# KiCad board SmallDSPMicro.kicad_pcb (continued)
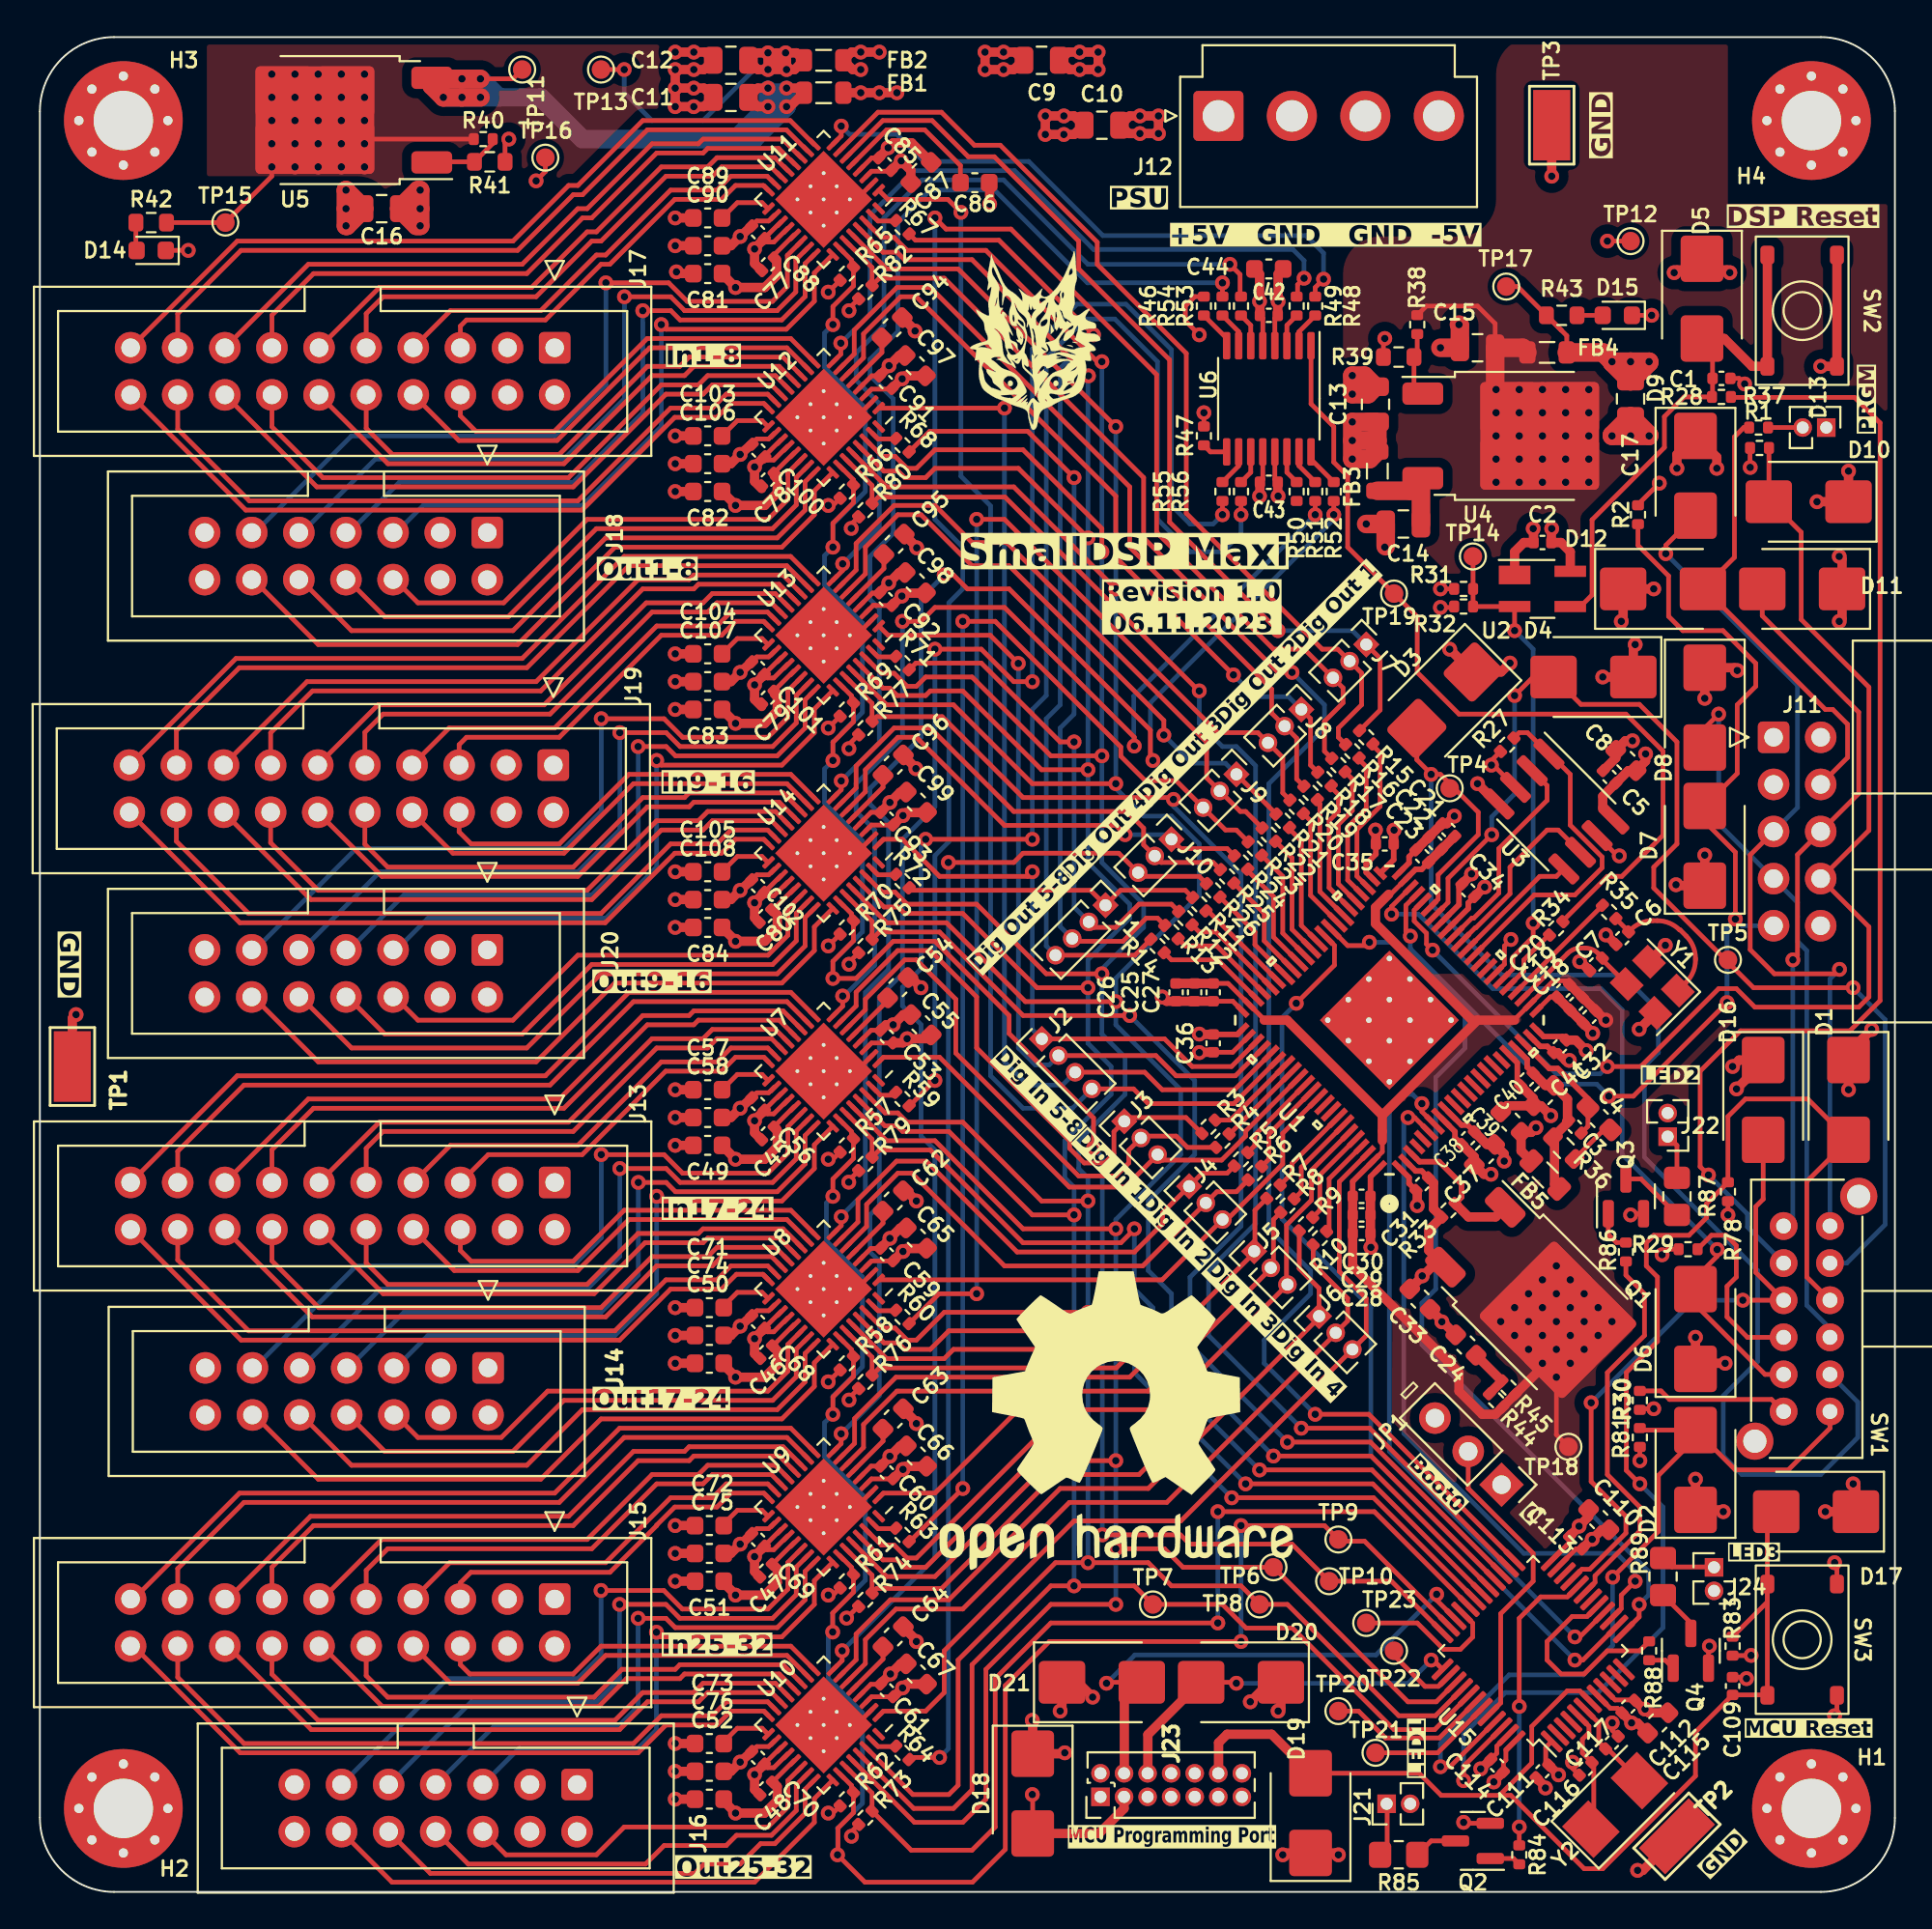
[diagram p0: board, top side]
## Nets
+1V2: C18.1 C19.1 C20.1 C21.1 C22.1 C23.1 C25.1 C26.1 C27.1 C28.1 C29.1 C30.1 Q1.2 R44.1 R45.1 TP18.1 U1.24 U1.43 U1.65 U1.87
+3.3VA: C16.1 C45.1 C46.1 C47.1 C48.1 C49.1 C50.1 C51.1 C52.1 C56.1 C58.1 C68.1 C69.1 C70.1 C74.1 C75.1 C76.1 C77.1 C78.1 C79.1 C80.1 C81.1 C82.1 C83.1 C84.1 C88.1 C90.1 C100.1 C101.1 C102.1 C106.1 C107.1 C108.1 R40.1 R42.1 TP15.1 U5.2 U7.18 U7.21 U8.18 U8.21 U9.18 U9.21 U10.18 U10.21 U11.18 U11.21 U12.18 U12.21 U13.18 U13.21 U14.18 U14.21
+3.3VP: C3.1 C40.1 C41.1 FB5.2 R36.2 U1.19
+3V3: C2.1 C5.1 C8.1 C17.1 C31.1 C32.1 C33.1 C34.1 C35.1 C36.1 C37.1 C38.1 C39.1 C42.1 C43.1 C44.1 C53.1 C55.1 C59.1 C60.1 C61.1 C65.1 C66.1 C67.1 C85.1 C87.1 C91.1 C92.1 C93.1 C97.1 C98.1 C99.1 C110.1 C111.2 C112.2 C113.2 C114.2 C115.1 D18.2 FB4.2 FB5.1 J21.2 J22.2 J23.3 J24.2 JP1.3 Q1.3 R2.1 R27.1 R30.1 R32.1 R33.1 R43.1 R46.1 R47.1 R73.1 R74.1 R75.1 R76.1 R77.1 R78.1 R79.1 R80.1 R81.1 R82.1 R83.1 TP17.1 U1.2 U1.9 U1.22 U1.37 U1.46 U1.68 U2.4 U3.3 U3.7 U3.8 U6.4 U6.13 U7.3 U8.3 U9.3 U10.3 U11.3 U12.3 U13.3 U14.3 U15.1 U15.9 U15.24 U15.48
+5V: C11.1 FB1.2 J13.2 J14.2 J15.2 J16.2 J17.2 J18.2 J19.2 J20.2 TP11.1 U5.3
-5V: C12.1 FB2.2 J13.1 J14.1 J15.1 J16.1 J17.1 J18.1 J19.1 J20.1 TP13.1
/5V PR: D12.2 J11.4 R37.1
GND: C1.2 C2.2 C5.2 C6.2 C7.2 C8.2 C9.2 C10.2 C11.2 C12.2 C13.2 C14.2 C15.2 C16.2 C17.2 C18.2 C19.2 C20.2 C21.2 C22.2 C23.2 C24.2 C25.2 C26.2 C27.2 C28.2 C29.2 C30.2 C31.2 C32.2 C33.2 C34.2 C35.2 C36.2 C37.2 C38.2 C39.2 C40.2 C41.2 C42.2 C43.2 C44.2 C45.2 C46.2 C47.2 C48.2 C49.2 C50.2 C51.2 C52.2 C53.2 C54.2 C55.2 C56.2 C57.2 C58.2 C59.2 C60.2 C61.2 C62.2 C63.2 C64.2 C65.2 C66.2 C67.2 C68.2 C69.2 C70.2 C71.2 C72.2 C73.2 C74.2 C75.2 C76.2 C77.2 C78.2 C79.2 C80.2 C81.2 C82.2 C83.2 C84.2 C85.2 C86.2 C87.2 C88.2 C89.2 C90.2 C91.2 C92.2 C93.2 C94.2 C95.2 C96.2 C97.2 C98.2 C99.2 C100.2 C101.2 C102.2 C103.2 C104.2 C105.2 C106.2 C107.2 C108.2 C109.1 C110.2 C111.1 C112.1 C113.1 C114.1 C115.2 C116.2 C117.2 D13.1 D14.1 D15.1 J11.10 J12.2 J12.3 J13.3 J13.4 J14.3 J14.4 J14.13 J14.14 J15.3 J15.4 J16.3 J16.4 J16.13 J16.14 J17.3 J17.4 J18.3 J18.4 J18.13 J18.14 J19.3 J19.4 J20.3 J20.4 J20.13 J20.14 J23.5 J23.7 JP1.1 Q2.2 Q3.2 Q4.2 R1.1 R29.1 R31.1 R39.2 R41.2 R57.2 R58.2 R61.2 R62.2 R65.2 R66.2 R69.2 R70.2 SW2.1 SW3.1 TP1.1 TP2.1 TP3.1 TP12.1 TP16.1 U1.1 U1.8 U1.18 U1.21 U1.23 U1.29 U1.36 U1.44 U1.45 U1.66 U1.67 U1.88 U1.EP U2.1 U3.4 U6.5 U6.12 U7.2 U7.4 U7.19 U7.20 U7.33 U8.2 U8.4 U8.19 U8.20 U8.33 U9.2 U9.4 U9.19 U9.20 U9.33 U10.2 U10.4 U10.19 U10.20 U10.33 U11.2 U11.4 U11.19 U11.20 U11.33 U12.2 U12.4 U12.19 U12.20 U12.33 U13.2 U13.4 U13.19 U13.20 U13.33 U14.2 U14.4 U14.19 U14.20 U14.33 U15.8 U15.23 U15.47 Y1.2 Y1.4
/BCLK In0: J3.1 R3.1 U7.7
/BCLK In1: J4.1 R5.1 U8.7
/BCLK In2: J5.1 R7.1 U9.7
/BCLK In3: J6.1 R9.1 U10.7
/BCLK Out0: J7.2 R16.2 U11.7
/BCLK Out1: J8.2 R19.2 U12.7
/BCLK Out2: J9.2 R22.2 U13.7
/BCLK Out3: J10.2 R25.2 U14.7
/Clock Distribution/MCLK Out 9: R50.2
/Codecs 1-4/In L1+: J13.5 U7.16
/Codecs 1-4/In L1-: J13.7 U7.15
/Codecs 1-4/In L2+: J13.13 U7.12
/Codecs 1-4/In L2-: J13.15 U7.11
/Codecs 1-4/In L3+: J13.20 U8.16
/Codecs 1-4/In L3-: J13.18 U8.15
/Codecs 1-4/In L4+: J13.12 U8.12
/Codecs 1-4/In L4-: J13.10 U8.11
/Codecs 1-4/In L5+: J15.5 U9.16
/Codecs 1-4/In L5-: J15.7 U9.15
/Codecs 1-4/In L6+: J15.13 U9.12
/Codecs 1-4/In L6-: J15.15 U9.11
/Codecs 1-4/In L7+: J15.20 U10.16
/Codecs 1-4/In L7-: J15.18 U10.15
/Codecs 1-4/In L8+: J15.12 U10.12
/Codecs 1-4/In L8-: J15.10 U10.11
/Codecs 1-4/In R1+: J13.9 U7.14
/Codecs 1-4/In R1-: J13.11 U7.13
/Codecs 1-4/In R2+: J13.17 U7.10
/Codecs 1-4/In R2-: J13.19 U7.9
/Codecs 1-4/In R3+: J13.16 U8.14
/Codecs 1-4/In R3-: J13.14 U8.13
/Codecs 1-4/In R4+: J13.8 U8.10
/Codecs 1-4/In R4-: J13.6 U8.9
/Codecs 1-4/In R5+: J15.9 U9.14
/Codecs 1-4/In R5-: J15.11 U9.13
/Codecs 1-4/In R6+: J15.17 U9.10
/Codecs 1-4/In R6-: J15.19 U9.9
/Codecs 1-4/In R7+: J15.16 U10.14
/Codecs 1-4/In R7-: J15.14 U10.13
/Codecs 1-4/In R8+: J15.8 U10.10
/Codecs 1-4/In R8-: J15.6 U10.9
/Codecs 1-4/Out L1: J14.11 U7.22
/Codecs 1-4/Out L2: J14.7 U7.24
/Codecs 1-4/Out L3: J14.6 U8.22
/Codecs 1-4/Out L4: J14.10 U8.24
/Codecs 1-4/Out L5: J16.11 U9.22
/Codecs 1-4/Out L6: J16.7 U9.24
/Codecs 1-4/Out L7: J16.6 U10.22
/Codecs 1-4/Out L8: J16.10 U10.24
/Codecs 1-4/Out R1: J14.9 U7.23
/Codecs 1-4/Out R2: J14.5 U7.25
/Codecs 1-4/Out R3: J14.8 U8.23
/Codecs 1-4/Out R4: J14.12 U8.25
/Codecs 1-4/Out R5: J16.9 U9.23
/Codecs 1-4/Out R6: J16.5 U9.25
/Codecs 1-4/Out R7: J16.8 U10.23
/Codecs 1-4/Out R8: J16.12 U10.25
/Codecs 5-8/In L1+: J17.5 U11.16
/Codecs 5-8/In L1-: J17.7 U11.15
/Codecs 5-8/In L2+: J17.13 U11.12
/Codecs 5-8/In L2-: J17.15 U11.11
/Codecs 5-8/In L3+: J17.20 U12.16
/Codecs 5-8/In L3-: J17.18 U12.15
/Codecs 5-8/In L4+: J17.12 U12.12
/Codecs 5-8/In L4-: J17.10 U12.11
/Codecs 5-8/In L5+: J19.5 U13.16
/Codecs 5-8/In L5-: J19.7 U13.15
/Codecs 5-8/In L6+: J19.13 U13.12
/Codecs 5-8/In L6-: J19.15 U13.11
/Codecs 5-8/In L7+: J19.20 U14.16
/Codecs 5-8/In L7-: J19.18 U14.15
/Codecs 5-8/In L8+: J19.12 U14.12
/Codecs 5-8/In L8-: J19.10 U14.11
/Codecs 5-8/In R1+: J17.9 U11.14
/Codecs 5-8/In R1-: J17.11 U11.13
/Codecs 5-8/In R2+: J17.17 U11.10
/Codecs 5-8/In R2-: J17.19 U11.9
/Codecs 5-8/In R3+: J17.16 U12.14
/Codecs 5-8/In R3-: J17.14 U12.13
/Codecs 5-8/In R4+: J17.8 U12.10
/Codecs 5-8/In R4-: J17.6 U12.9
/Codecs 5-8/In R5+: J19.9 U13.14
/Codecs 5-8/In R5-: J19.11 U13.13
/Codecs 5-8/In R6+: J19.17 U13.10
/Codecs 5-8/In R6-: J19.19 U13.9
/Codecs 5-8/In R7+: J19.16 U14.14
/Codecs 5-8/In R7-: J19.14 U14.13
/Codecs 5-8/In R8+: J19.8 U14.10
/Codecs 5-8/In R8-: J19.6 U14.9
/Codecs 5-8/Out L1: J18.11 U11.22
/Codecs 5-8/Out L2: J18.7 U11.24
/Codecs 5-8/Out L3: J18.6 U12.22
/Codecs 5-8/Out L4: J18.10 U12.24
/Codecs 5-8/Out L5: J20.11 U13.22
/Codecs 5-8/Out L6: J20.7 U13.24
/Codecs 5-8/Out L7: J20.6 U14.22
/Codecs 5-8/Out L8: J20.10 U14.24
/Codecs 5-8/Out R1: J18.9 U11.23
/Codecs 5-8/Out R2: J18.5 U11.25
/Codecs 5-8/Out R3: J18.8 U12.23
/Codecs 5-8/Out R4: J18.12 U12.25
/Codecs 5-8/Out R5: J20.9 U13.23
/Codecs 5-8/Out R6: J20.5 U13.25
/Codecs 5-8/Out R7: J20.8 U14.23
/Codecs 5-8/Out R8: J20.12 U14.25
/Enable Codec 1-4: R57.1 R58.1 R61.1 R62.1 TP9.1 U7.26 U8.26 U9.26 U10.26 U15.35
/Enable Codec 5-8: R65.1 R66.1 R69.1 R70.1 TP10.1 U11.26 U12.26 U13.26 U14.26 U15.36
/GPIO6: U1.53 U15.13
/GPIO7: U1.54 U15.14
/GPIO14: U1.6 U15.15
/GPIO15: U1.7 U15.16
/LRCK In0: J3.2 R4.1 U7.6
/LRCK In1: J4.2 R6.1 U8.6
/LRCK In2: J5.2 R8.1 U9.6
/LRCK In3: J6.2 R10.1 U10.6
/LRCK Out0: J7.1 R15.2 U11.6
/LRCK Out1: J8.1 R18.2 U12.6
/LRCK Out2: J9.1 R21.2 U13.6
/LRCK Out3: J10.1 R24.2 U14.6
/M DSP MISO: U1.35 U3.2
/M DSP MOSI: U1.33 U3.5
/M DSP SCLK: U1.34 U3.6
/MCLK: R34.2 TP19.1 U6.1
/MCLK 1: R51.2 U7.8
/MCLK 2: R52.2 U8.8
/MCLK 3: R55.2 U9.8
/MCLK 4: R56.2 U10.8
/MCLK 5: R48.2 U11.8
/MCLK 6: R49.2 U12.8
/MCLK 7: R53.2 U13.8
/MCLK 8: R54.2 U14.8
/MCU MISO: TP8.1 U7.30 U8.30 U9.30 U10.30 U11.30 U12.30 U13.30 U14.30 U15.40
/MCU MOSI: TP7.1 U7.29 U8.29 U9.29 U10.29 U11.29 U12.29 U13.29 U14.29 U15.41
/MCU SCL: D2.2 R81.2 SW1.6 U15.45
/MCU SCLK: TP6.1 U7.28 U8.28 U9.28 U10.28 U11.28 U12.28 U13.28 U14.28 U15.39
/MCU SDA: D1.2 R78.2 SW1.3 U15.46
/MCU/Boot0: JP1.2 U15.44
/MCU/LED1: R84.2 U15.20
/MCU/LED2: R86.2 U15.19
/MCU/LED3: R88.2 U15.17
/MCU/SWCLK: D20.2 J23.6 U15.37
/MCU/SWDIO: D21.2 J23.4 U15.34
/MCU/~{RST}: C109.2 D17.2 D19.2 J23.12 R83.2 SW3.2 U15.7
/PRGM MISO: D9.2 J11.5 SW1.1
/PRGM MOSI: D10.2 J11.8 R1.2 U1.40
/PRGM SCLK: D8.2 J11.7 SW1.4
/SDATA In0: J3.3 U1.75 U7.1
/SDATA In1: J4.3 U1.78 U8.1
/SDATA In2: J5.3 U1.83 U9.1
/SDATA In3: J6.3 U1.86 U10.1
/SDATA In4: J2.4 U1.72 U11.1
/SDATA In5: J2.3 U1.71 U12.1
/SDATA In6: J2.2 U1.70 U13.1
/SDATA In7: J2.1 U1.69 U14.1
/SDATA Out0: J7.3 R17.2 R59.2
/SDATA Out1: J8.3 R20.2 R60.2
/SDATA Out2: J9.3 R23.2 R63.2
/SDATA Out3: J10.3 R26.2 R64.2
/SDATA Out4: J1.4 R14.1 R67.2
/SDATA Out5: J1.3 R13.1 R68.2
/SDATA Out6: J1.2 R12.1 R71.2
/SDATA Out7: J1.1 R11.1 R72.2
/~{CS Codec 1}: R79.2 U7.27 U15.29
/~{CS Codec 2}: R76.2 U8.27 U15.30
/~{CS Codec 3}: R74.2 U9.27 U15.31
/~{CS Codec 4}: R73.2 U10.27 U15.32
/~{CS Codec 5}: R82.2 U11.27 U15.25
/~{CS Codec 6}: R80.2 U12.27 U15.26
/~{CS Codec 7}: R77.2 U13.27 U15.27
/~{CS Codec 8}: R75.2 U14.27 U15.28
/~{CS EEPROM}: R27.2 U1.32 U3.1
/~{DSP RST}: R31.2 R32.2 TP14.1 U1.28 U2.2
/~{PRGM CS}: D7.2 J11.9 R2.2 U1.41
/~{RST MCU}: D16.2 SW1.9 U15.21
/~{RST PGRM}: D11.2 J11.6 SW1.7
Earth_Protective: D1.1 D2.1 D3.1 D4.1 D5.1 D6.1 D7.1 D8.1 D9.1 D10.1 D11.1 D12.1 D16.1 D17.1 D18.1 D19.1 D20.1 D21.1 H1.1 H2.1 H3.1 H4.1 SW1.G
Net-(C4-Pad2): C4.2 R36.1
Net-(C6-Pad1): C6.1 R35.2 Y1.1
Net-(C24-Pad1): C24.1 R44.2 R45.2
Net-(D3-A2): D3.2 SW1.5 TP4.1 U1.39
Net-(D4-A2): D4.2 SW1.2 TP5.1 U1.38
Net-(D5-A2): C1.1 D5.2 R28.1 SW2.2 U2.3
Net-(D6-A2): D6.2 SW1.11 U1.42
Net-(D13-A): D13.2 R37.2
Net-(D14-A): D14.2 R42.2
Net-(D15-A): D15.2 R43.2
Net-(J12-Pin_1): C10.1 C13.1 FB1.1 FB3.1 J12.1
Net-(J12-Pin_4): C9.1 FB2.1 J12.4
Net-(J21-Pin_1): J21.1 R85.1
Net-(J22-Pin_1): J22.1 R87.1
Net-(J24-Pin_1): J24.1 R89.1
Net-(Q1-B): Q1.1 R33.2 U1.3
Net-(Q2-D): Q2.3 R85.2
Net-(Q2-G): Q2.1 R84.1
Net-(Q3-D): Q3.3 R87.2
Net-(Q3-G): Q3.1 R86.1
Net-(Q4-D): Q4.3 R89.2
Net-(Q4-G): Q4.1 R88.1
Net-(SW1C-B): R28.2 SW1.8
Net-(SW1D-A): R29.2 SW1.10
Net-(SW1D-C): R30.2 SW1.12
Net-(U1A-MCLK_Out): R34.1 U1.27
Net-(U1A-PLLFlt): C3.2 C4.1 U1.20
Net-(U1A-Xtal_In/MCLK_In): C7.1 U1.25 Y1.3
Net-(U1A-Xtal_Out): R35.1 U1.26
Net-(U1C-BCLK_In0): R3.2 U1.73
Net-(U1C-BCLK_In1): R5.2 U1.76
Net-(U1C-BCLK_In2): R7.2 U1.81
Net-(U1C-BCLK_In3): R9.2 U1.84
Net-(U1C-BCLK_Out0): R16.1 U1.48
Net-(U1C-BCLK_Out1): R19.1 U1.51
Net-(U1C-BCLK_Out2): R22.1 U1.56
Net-(U1C-BCLK_Out3): R25.1 U1.59
Net-(U1C-LRCK_In0/GPIO10): R4.2 U1.74
Net-(U1C-LRCK_In1/GPIO11): R6.2 U1.77
Net-(U1C-LRCK_In2/GPIO12): R8.2 U1.82
Net-(U1C-LRCK_In3/GPIO13): R10.2 U1.85
Net-(U1C-LRCK_Out0/GPIO4): R15.1 U1.47
Net-(U1C-LRCK_Out1/GPIO5): R18.1 U1.50
Net-(U1C-LRCK_Out2/GPIO8): R21.1 U1.55
Net-(U1C-LRCK_Out3/GPIO9): R24.1 U1.58
Net-(U1C-SDATA_IO4/GPIO20): R14.2 U1.64
Net-(U1C-SDATA_IO5/GPIO21): R13.2 U1.63
Net-(U1C-SDATA_IO6/GPIO22): R12.2 U1.62
Net-(U1C-SDATA_IO7/GPIO23): R11.2 U1.61
Net-(U1C-SDATA_Out0): R17.1 U1.49
Net-(U1C-SDATA_Out1): R20.1 U1.52
Net-(U1C-SDATA_Out2): R23.1 U1.57
Net-(U1C-SDATA_Out3): R26.1 U1.60
Net-(U4-ADJ): R38.2 R39.1 U4.1
Net-(U4-VI): C14.1 FB3.2 U4.3
Net-(U4-VO): C15.1 FB4.1 R38.1 U4.2
Net-(U5-ADJ): R40.2 R41.1 U5.1
Net-(U6-CLK_A1): R48.1 U6.2
Net-(U6-CLK_A2): R49.1 U6.3
Net-(U6-CLK_A3): R50.1 U6.14
Net-(U6-CLK_A4): R51.1 U6.15
Net-(U6-CLK_B1): R53.1 U6.6
Net-(U6-CLK_B2): R54.1 U6.7
Net-(U6-CLK_B3): R55.1 U6.10
Net-(U6-CLK_B4): R56.1 U6.11
Net-(U6-CLK_Out): R52.1 U6.16
Net-(U6-S1): R47.2 U6.9
Net-(U6-S2): R46.2 U6.8
Net-(U7B-SDO_1): R59.1 U7.31
Net-(U7C-LDO_Bypass): C54.1 U7.5
Net-(U7C-Vcom): C57.1 U7.17
Net-(U8B-SDO_1): R60.1 U8.31
Net-(U8C-LDO_Bypass): C62.1 U8.5
Net-(U8C-Vcom): C71.1 U8.17
Net-(U9B-SDO_1): R63.1 U9.31
Net-(U9C-LDO_Bypass): C63.1 U9.5
Net-(U9C-Vcom): C72.1 U9.17
Net-(U10B-SDO_1): R64.1 U10.31
Net-(U10C-LDO_Bypass): C64.1 U10.5
Net-(U10C-Vcom): C73.1 U10.17
Net-(U11B-SDO_1): R67.1 U11.31
Net-(U11C-LDO_Bypass): C86.1 U11.5
Net-(U11C-Vcom): C89.1 U11.17
Net-(U12B-SDO_1): R68.1 U12.31
Net-(U12C-LDO_Bypass): C94.1 U12.5
Net-(U12C-Vcom): C103.1 U12.17
Net-(U13B-SDO_1): R71.1 U13.31
Net-(U13C-LDO_Bypass): C95.1 U13.5
Net-(U13C-Vcom): C104.1 U13.17
Net-(U14B-SDO_1): R72.1 U14.31
Net-(U14C-LDO_Bypass): C96.1 U14.5
Net-(U14C-Vcom): C105.1 U14.17
Net-(U15-PA12/USART1_RTS): TP23.1 U15.33
Net-(U15-PA15/USART2_RX/~{SPI1_CS}): TP22.1 U15.38
Net-(U15-PB6/USART1_TX): TP20.1 U15.42
Net-(U15-PB7/USART1_RX): TP21.1 U15.43
Net-(U15-PF0/XTAL_In): C116.1 U15.5 Y2.1
Net-(U15-PF1/XTAL_Out): C117.1 U15.6 Y2.2

Pads without a net: J11 1 2 3; J23 1 2 8 9 10 11 13 14; U1 4 5 10 11 12 13 14 15 16 17 30 31 79 80; U7 32; U8 32; U9 32; U10 32; U11 32; U12 32; U13 32; U14 32; U15 2 3 4 10 11 12 18 22

## Via types
v1: diameter 0.8, hole 0.4, Top to Bottom, 490 vias

## Routing (per net, layer and track width the routed paths; a pad name or vN(x,y) marks a point on that pad's centre or on a via; arc(x,y) is an arc through that point)
+1V2: length 78.9
  Top w0.25: 79.5,47 79.5,47.03 U1.24 81.59,49.12 82.27,49.12 C20.1 ; v1(81.75,33.75) 81.75,24.65 TP18.1 ; C27.1 64.05,48.98 U1.65 66,47.03 66,47 ; 72.37,41 72.37,39.9 U1.87 ; U1.43 72.82,53.79 72.71,53.79
  Top w0.3: C30.1 70.77,38.3 U1.87 ; C23.1 74.49,55.13 74.16,55.13 U1.43
  Top w0.5: C25.1 C26.1 C27.1 ; 72.37,41.87 67.24,47 66,47 ; 72.37,41.87 72.37,40.5 ; 72.37,41.87 77.5,47 ; R44.1 78.47,25.75 77.75,25.75 76.5,27 76.5,28 70.77,33.73 C28.1 C29.1 C30.1 ; 77.5,47 77.2,47 72,52.2 72,53.07 72.71,53.79 ; 77.5,47 79.5,47 ; 81,28.3 R45.1 78.86,26.16 ; C20.1 C19.1 C18.1 84.39,47 v1(84.42,47) ; C21.1 C22.1 C23.1
  vias: v1(78.75,30.75) v1(79.5,31.5) v1(79.5,30) v1(80.25,32.25) v1(80.25,30.75) v1(80.25,29.25) v1(81,33) v1(81,31.5) v1(81,30) v1(81,28.5) v1(81.75,32.25) v1(81.75,30.75) v1(81.75,29.25) v1(81.75,27.75) v1(82.5,33) v1(82.5,31.5) v1(82.5,30) v1(82.5,28.5) v1(83.25,32.25) v1(83.25,30.75) v1(83.25,29.25) v1(84,31.5) v1(84,30) v1(84.75,30.75)
+3.3VA: length 96.3
  Top w0.25: 40.66,65.84 39.56,64.74 ; 39.6,90.4 39.28,90.08 38.65,90.08 38.36,89.8 ; 38.36,31.05 38.65,31.33 39.28,31.33 39.6,31.65 ; 39.6,43.4 39.28,43.08 38.65,43.08 38.36,42.8 ; 39.6,19.9 39.28,19.58 38.65,19.58 38.36,19.3 ; 38.36,54.55 38.65,54.83 39.28,54.83 39.6,55.15 ; 38.36,7.55 38.65,7.83 39.28,7.83 39.6,8.15 ; v1(12.5,93) 12.5,92.5 TP15.1 R42.1 ; 40.66,89.34 39.56,88.24 ; 40.66,54.09 39.56,52.99 ; 39.6,66.9 39.28,66.58 38.65,66.58 38.36,66.3 ; 40.66,30.59 39.56,29.49 ; R40.1 17,94.5 ; 40.66,18.84 39.56,17.74 ; 38.36,78.05 38.65,78.33 39.28,78.33 39.6,78.65 ; 40.66,77.59 39.56,76.49 ; 40.66,42.34 39.56,41.24 ; 40.66,7.09 39.56,5.99
  Top w0.5: C77.1 39.72,87.96 39.72,87.14 39.07,86.5 v1(37.5,86.5) C81.1 ; 39.59,5.84 39.75,5.68 39.75,4.93 39.07,4.25 v1(37.5,4.25) 36.78,5 ; 38.36,19.3 37.81,18.75 v1(37.75,18.75) 37.25,18.25 36.77,18.25 ; 38.36,31.05 v1(37.75,30.5) 37.25,30 36.77,30 ; 39.59,52.84 39.75,52.68 39.75,51.93 39.07,51.25 v1(37.5,51.25) 37.5,51.27 C84.1 ; 36.77,28.5 37.5,27.77 v1(37.5,27.75) 39.07,27.75 39.75,28.43 39.75,29.18 39.59,29.34 ; C106.1 37.25,77 v1(37.75,77.5) 38.36,78.05 ; C82.1 37.5,74.78 v1(37.5,74.75) 39.07,74.75 39.75,75.43 39.75,76.18 39.59,76.34 ; C90.1 37.25,88.75 v1(37.75,89.25) 38.36,89.8 ; C108.1 37.25,53.5 v1(37.75,54) 38.36,54.55 ; 39.59,64.59 39.75,64.43 39.75,63.68 39.07,63 v1(37.5,63) 37.5,63.03 C83.1 ; 38.36,66.3 v1(37.75,65.75) 37.25,65.25 C107.1 ; 38.36,42.8 v1(37.75,42.25) 37.25,41.75 36.77,41.75 ; C45.1 39.75,41.06 39.75,40.18 39.07,39.5 v1(37.5,39.5) 36.77,40.25 ; 36.77,16.75 37.5,16.02 v1(37.5,16) 39.07,16 39.75,16.68 39.75,17.43 39.59,17.59 ; 38.36,7.55 v1(37.75,7) 37.25,6.5 36.78,6.5
  Top w1: C16.1 v1(16.5,90.75) ; C16.1 16.5,91.72 v1(16.5,91.75) v1(16.5,90.75) ; C16.1 16.55,89.83 v1(16.5,89.83) v1(16.5,90.75)
  vias: v1(12.5,98) v1(12.5,96.75) v1(12.5,95.5) v1(12.5,94.25) v1(13.75,98) v1(13.75,96.75) v1(13.75,95.5) v1(13.75,94.25) v1(13.75,93) v1(15,98) v1(15,96.75) v1(15,95.5) v1(15,94.25) v1(15,93) v1(16.25,98) v1(16.25,96.75) v1(16.25,95.5) v1(16.25,94.25) v1(16.25,93) v1(17.5,98) v1(17.5,96.75) v1(17.5,95.5) v1(17.5,94.25) v1(17.5,93)
+3.3VP: length 9.5
  Top w0.3: C40.1 80.17,44.47 80.17,44.88 U1.19
  Top w0.5: C40.1 81.16,43.48 C41.1 82.35,42.74 82.35,41.65 C3.1 82.41,41.53 R36.2 81.65,40.6 81.65,38.15 FB5.2
+3V3: length 129.7
  Top w0.25: R80.1 43.74,73.74 v1(43.74,73.51) ; 45.99,57.52 44.83,57.52 U14.3 ; v1(85.14,55.86) 85.04,55.86 U3.7 ; 45.99,34.02 44.83,34.02 U8.3 ; U1.68 64.3,45.27 C36.1 ; v1(43.62,26.52) 43.62,26.62 R76.1 ; C111.2 81.18,7 81.18,7.79 U15.1 ; 45.99,22.27 44.83,22.27 U9.3 ; U15.48 79.03,7.64 79.03,7.11 78.89,6.98 C114.2 ; C113.2 82.46,18.85 U15.24 ; v1(75.5,69.25) 76.24,69.25 ; R46.1 62.26,86.01 61.75,85.5 61.75,84.7 v1(62.5,83.95) ; 45.75,92.77 44.83,92.77 U11.3 ; v1(43.75,3) 43.75,3.25 R73.1 ; R79.1 43.6,38.35 v1(43.6,38.26) ; U12.3 44.83,81.02 45.9,81.02 ; R82.1 43.62,85.37 v1(43.62,85.25) ; R27.1 78.25,61 v1(78.25,60.75) 78.35,60.75 U3.3 ; 85.95,10.35 84.92,10.35 U15.9 ; 45.99,10.52 44.83,10.52 U10.3 ; R81.1 v1(86.25,23.25) ; v1(53.5,5.25) 53.52,5.23 D18.2 ; 45.99,45.77 44.83,45.77 U7.3 ; R2.1 86.15,74.8 v1(87.3,75.95) ; R47.1 v1(62.75,79.75) ; R43.1 82.01,84.2 ; 82.01,84.2 82.31,83.9 FB4.2 ; 82.01,84.2 79.66,86.55 TP17.1 ; v1(43.61,61.64) 43.61,61.86 R77.1 ; C43.1 66.57,76.15 U6.13 ; v1(87,26.05) 86.26,26.05 ; 45.83,69.36 45.05,69.36 45.04,69.36 44.92,69.36 U13.3 ; U6.4 66.57,84.85 C42.1 ; R75.1 43.62,50.12 v1(43.62,50.01) ; v1(92.25,12.75) 92.24,12.74 R83.1 ; v1(91,36.5) R78.1 ; v1(43.49,14.76) 44.11,15.39
  Top w0.3: U1.46 71.5,54.97 71.5,55.43 72.02,55.95 C35.1 ; U1.9 76.64,41.34 76.96,41.34 C38.1 ; C34.1 76.5,54.18 76.5,53.22 U1.37 ; U1.22 81.06,46.12 82.09,46.12 C32.1 ; C31.1 74.49,38.87 74.16,38.87 U1.2
  Top w0.5: C31.1 75.13,38.23 75.13,36.83 R33.1 74.87,35.69 74.87,34.58 Q1.3 75.03,33.69 74.55,33.21 v1(74.52,33.21) 74.52,33.18 C33.1 ; C85.1 46.41,93.33 v1(46.43,93.33) 46.95,92.81 C87.1 ; 45.98,34.01 46.5,34.53 ; 45.98,22.26 46.5,22.78 v1(46.53,22.78) 46.69,22.94 47.78,22.94 ; C112.2 86.44,9.86 v1(86.53,9.86) 86.73,9.66 C115.1 ; U3.8 84.25,58.44 84.25,59.07 85.63,60.45 C8.1 86.56,60.96 v1(86.56,61.35) ; C110.1 83.49,20.23 v1(82.97,19.72) 82.97,19.69 C113.2 ; C61.1 46.04,10.53 v1(46.5,10.99) 46.71,11.2 C67.1 ; v1(72,57.25) 72.02,57.23 C35.1 ; 47.72,70.02 46.63,70.02 v1(46.47,69.86) 46.44,69.86 45.93,69.35 ; v1(78.38,5.93) 78.38,5.96 C114.2 ; FB5.1 79.85,39.95 C39.1 80.4,40.95 v1(80.65,41.2) ; C32.1 82.79,45.93 v1(83.36,45.36) ; v1(78.94,39.4) 78.94,39.79 C37.1 78.01,40.3 C38.1 ; v1(46.53,34.53) 46.69,34.69 47.78,34.69 ; 47.78,58.19 46.69,58.19 v1(46.53,58.03) 46.5,58.03 45.98,57.51 ; C44.1 66.75,87.22 v1(66.75,85.75) 66.73,85.73 C42.1 ; 58.44,5.12 58.44,4.5 57.1,3.15 D18.2 ; 81.48,73.48 C2.1 82,72.75 82.5,72.25 U2.4 ; C91.1 46.46,81.58 v1(46.48,81.58) 46.64,81.74 C97.1 ; v1(62.5,45.25) 62.52,45.27 C36.1 ; C55.1 47.85,46 v1(46.75,46) 46.53,45.78 C53.1 ; C43.1 66.73,75.27 v1(66.75,75.25) ; C34.1 77.18,54.86 ; v1(81.87,6.31) C111.2
  Top w1: C17.1 86.75,82.45 v1(86.75,82.5) v1(85.75,82.5) ; C17.1 84.75,82.45 v1(84.75,82.5) ; C17.1 v1(85.75,82.5) ; v1(84.75,82.5) v1(85.75,82.5) ; v1(84.75,82.5) 84.25,83 FB4.2
  vias: v1(77.18,54.88) v1(81.5,73.5)
